# Allegro board MB1219_REVB_160112.brd (continued)
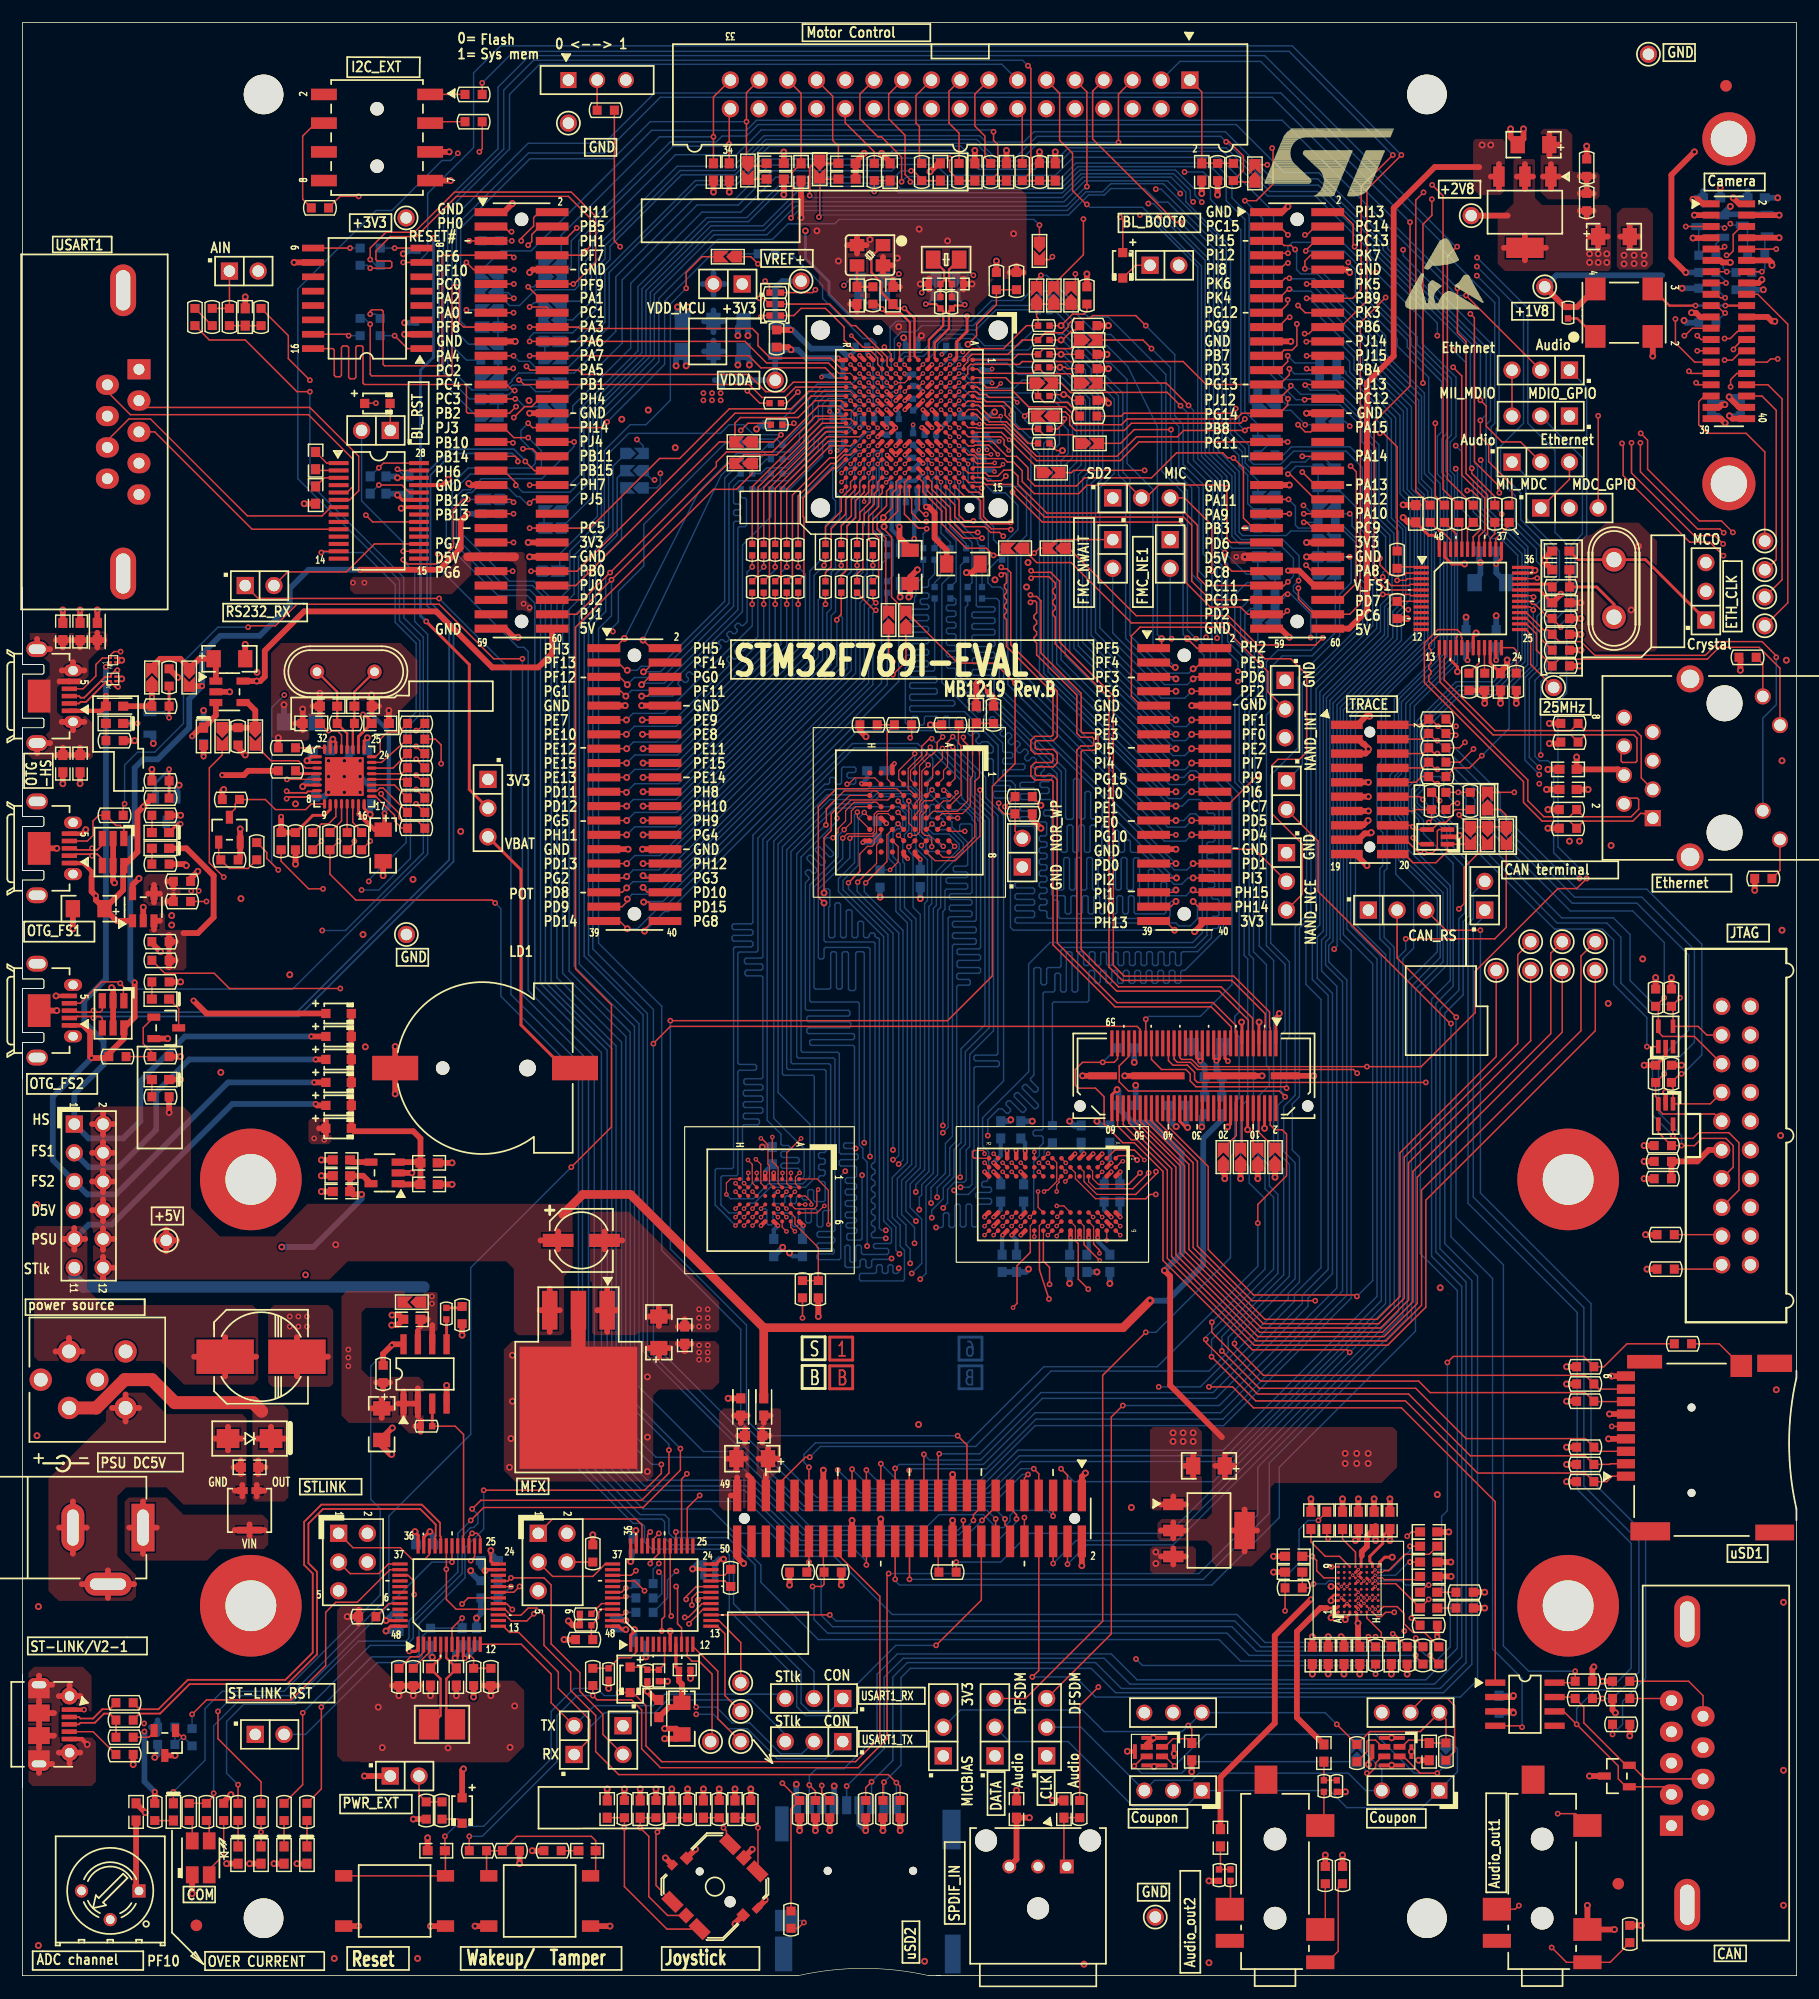
[diagram p0: board, top side]
## Nets (continued)
NETC35_1: C35.1 SB21.1 SB22.2 U7.1
NETC37_1: C37.1 R85.2 U8.28 X5.1
NETC38_1: C38.1 R85.1 U8.27 X5.2
NETC39_1: C39.1 R83.2 U9.B5
NETC40_1: C40.1 C141.1 U8.29
NETC41_1: C41.1 C46.1 U8.15 U8.26
NETC48_2: C48.2 U14.4
NETC49_2: C49.2 C51.2 D6.2 D8.2 D9.2 D10.2 D11.2 D12.2 U14.1 U14.3
NETC59_1: C59.1 C60.1 CN18.45 L5.2
NETC59_2: C59.2 C60.2 CN18.47 CN18.49 L4.2
NETC62_1: C62.1 D13.3 L3.1 Z1.2
NETC62_2: C62.2 CN19.2 CN19.3 D13.2 L3.2 Z1.1
NETC63_2: C63.2 U20.C9
NETC64_1: C64.1 U20.D7
NETC64_2: C64.2 CN28.2 R164.1 R225.2
NETC65_1: C65.1 U20.D9
NETC69_1: C69.1 U20.E6
NETC70_1: C70.1 U20.H8
NETC70_2: C70.2 U20.G8
NETC71_2: C71.2 JP22.1 U20.A7
NETC72_1: C72.1 U20.G7
NETC73_2: C73.2 R164.2 U20.B6
NETC74_1: C74.1 U20.H7
NETC75_1: C75.1 CN28.4 U20.G6
NETC75_2: C75.2 R165.1
NETC76_1: C76.1 CN28.6 U20.H6
NETC76_2: C76.2 R166.1
NETC81_1: C81.1 U20.F1
NETC82_2: C82.2 C86.1 L6.2 U22.9
NETC83_2: C83.2 D14.1 R177.1 U22.7
NETC89_1: C89.1 R193.1 R194.1
NETC89_2: C89.2 U20.A2
NETC96_1: C96.1 CN29.1 R206.2
NETC98_1: C98.1 R220.2 R221.2
NETC98_2: C98.2 U20.B3
NETC100_1: C100.1 R219.2
NETC131_2: C131.2 U5.27
NETC133_1: C133.1 U5.24
NETC133_2: C133.2 U5.28
NETC136_2: C136.2 C138.1 C139.1 C140.2 U6.18 U6.23 U6.37
NETC137_1: C137.1 U4.L11
NETC149_1: C149.1 C150.1 CN15.21 CN15.23 L8.2
NETC149_2: C149.2 C150.2 CN15.27 CN15.29 L9.2
NETCN1_3: CN1.3 SB18.2
NETCN1_5: CN1.5 SB46.1
NETCN1_9: CN1.9 SB73.1
NETCN1_11: CN1.11 SB72.2
NETCN1_13: CN1.13 SB50.1
NETCN1_14: CN1.14 R11.1
NETCN1_15: CN1.15 R10.2
NETCN1_17: CN1.17 R9.2
NETCN1_19: CN1.19 R8.2
NETCN1_21: CN1.21 SB57.2
NETCN1_23: CN1.23 SB53.2
NETCN1_26: CN1.26 R7.1
NETCN2_1: CN2.1 R3.2
NETCN2_3: CN2.3 R5.2
NETCN2_4: CN2.4 R16.1
NETCN3_1: CN3.1 R28.1 R29.2
NETCN4_15: CN4.15 R233.2 U22.33
NETCN4_17: CN4.17 R236.1 U22.32
NETCN4_18: CN4.18 TP11.1
NETCN4_19: CN4.19 R239.1 U22.10
NETCN4_33: CN4.33 SB3.1
NETCN4_34: CN4.34 TP10.1
NETCN4_35: CN4.35 TP8.1
NETCN4_36: CN4.36 TP9.1
NETCN5_3: CN5.3 SB40.2
NETCN5_5: CN5.5 R226.2
NETCN5_6: CN5.6 SB41.2
NETCN6_3: CN6.3 SB39.2
NETCN6_4: CN6.4 SB38.2
NETCN7_2: CN7.2 U5.6
NETCN7_3: CN7.3 U5.10
NETCN7_6: CN7.6 U5.5
NETCN7_8: CN7.8 U5.7
NETCN8_4: CN8.4 D3.A2 U8.5
NETCN9_1: CN9.1 R118.2 U6.17
NETCN9_2: CN9.2 R112.2 U6.16
NETCN9_3: CN9.3 R87.2 U6.14
NETCN9_6: CN9.6 R95.2 U6.13
NETCN9_9: CN9.9 R128.1
NETCN9_10: CN9.10 R74.1 U6.28
NETCN9_11: CN9.11 R77.1 U6.26
NETCN9_12: CN9.12 R76.1
NETCN11_6: CN11.6 JP9.2 R90.1 U9.A4
NETCN11_9: CN11.9 JP13.2
NETCN11_30: CN11.30 JP17.2
NETCN12_2: CN12.2 CN16.7 R84.1 R139.1 U13.1
NETCN12_4: CN12.4 CN16.9 R91.1 R138.2 U13.3
NETCN12_6: CN12.6 CN16.13 R97.1 R109.2 R141.1 U13.4
NETCN12_8: CN12.8 CN16.5 R99.1 R134.1 U12.5
NETCN12_10: CN12.10 CN16.15 R102.1 U13.5
NETCN12_12: CN12.12 SB10.1 U12.1
NETCN12_14: CN12.14 R109.1 SB11.1 U10.5
NETCN12_16: CN12.16 R111.1 SB9.1 U10.4
NETCN12_18: CN12.18 SB6.1 U10.3
NETCN12_20: CN12.20 SB26.1 U10.1
NETCN13_4: CN13.4 D5.1 R115.1
NETCN14_4: CN14.4 D7.1 SB65.1
NETCN15_8: CN15.8 SB32.1
NETCN15_10: CN15.10 SB31.1
NETCN15_14: CN15.14 SB30.1
NETCN15_16: CN15.16 SB29.1
NETCN15_35: CN15.35 JP3.1 U20.G1
NETCN15_39: CN15.39 SB43.1 U20.E4
NETCN15_45: CN15.45 JP12.3 SB71.1
NETCN15_46: CN15.46 TP17.1
NETCN15_47: CN15.47 SB14.1
NETCN15_48: CN15.48 TP14.1
NETCN15_50: CN15.50 TP18.1
NETCN15_52: CN15.52 TP15.1
NETCN15_54: CN15.54 TP19.1
NETCN15_56: CN15.56 TP16.1
NETCN15_58: CN15.58 TP20.1
NETCN16_3: CN16.3 R110.1 R111.2 R135.1 U12.4
NETCN16_11: CN16.11 R142.1 R143.2
NETCN16_17: CN16.17 R144.2
NETCN16_19: CN16.19 R145.2
NETCN17_1: CN17.1 R158.2 R287.1
NETCN17_2: CN17.2 R157.2 R282.1
NETCN17_3: CN17.3 R156.2 SB76.1
NETCN17_7: CN17.7 R154.2 SB75.2
NETCN17_8: CN17.8 R153.2 R264.1
NETCN17_10: CN17.10 R150.2
NETCN18_22: CN18.22 R162.1
NETCN19_1: CN19.1 D13.1
NETCN21_4: CN21.4 R159.2
NETCN22_2: CN22.2 R187.1
NETCN22_3: CN22.3 R188.1 R190.1
NETCN22_4: CN22.4 R301.1
NETCN25_5: CN25.5 R191.1
NETCN26_2: CN26.2 D15.1 JP18.2 U23.6
NETCN26_5: CN26.5 R186.2
NETCN26_7: CN26.7 D15.2 R185.1 U23.7
NETCN26_9: CN26.9 R184.2
NETCN27_2: CN27.2 R223.1
NETCN27_3: CN27.3 R222.1
NETCN27_4: CN27.4 R221.1
NETCN27_6: CN27.6 R193.2
NETCN30_5: CN30.5 JP7.1
NETCN30_10: CN30.10 R224.2
NETD1_1: D1.1 U5.20
NETD1_2: D1.2 JP1.1
NETD2_2: D2.2 JP5.1
NETD16_2: D16.2 R208.1
NETJP3_2: JP3.2 SB35.1
NETJP3_3: JP3.3 JP4.3
NETJP4_2: JP4.2 R73.1 U6.30
NETJP5_2: JP5.2 U5.16
NETJP6_1: JP6.1 U20.F2
NETJP6_2: JP6.2 SB44.2
NETJP6_3: JP6.3 JP8.1
NETJP7_3: JP7.3 JP23.3
NETJP8_2: JP8.2 U6.31
NETJP10_2: JP10.2 R89.2
NETJP11_1: JP11.1 JP21.1
NETJP11_2: JP11.2 U5.17
NETJP12_2: JP12.2 U6.34
NETJP13_3: JP13.3 SB19.2
NETJP14_2: JP14.2 U23.4
NETJP15_2: JP15.2 U4.C1
NETJP16_2: JP16.2 R114.1 U9.B4
NETJP17_3: JP17.3 SB17.2
NETJP18_1: JP18.1 R185.2
NETJP19_2: JP19.2 R183.1 U23.8
NETJP19_3: JP19.3 R189.1
NETJP23_1: JP23.1 U20.A9
NETJP24_1: JP24.1 U20.C6
NETJP24_3: JP24.3 R246.1
NETJP25_2: JP25.2 R292.2 U21.21
NETJP26_1: JP26.1 U5.13
NETJP26_2: JP26.2 SB68.1
NETJP27_2: JP27.2 R207.1 R208.2 U21.39
NETL2_1: L2.1 R82.2 R101.2 SB21.2
NETLD1_2: LD1.2 R216.2
NETLD2_2: LD2.2 R215.2
NETLD3_2: LD3.2 R214.2
NETLD4_2: LD4.2 R213.2
NETLD5_1: LD5.1 R94.1
NETLD5_2: LD5.2 T6.3
NETLD6_1: LD6.1 R288.1
NETLD6_2: LD6.2 R119.2 R120.2 U7.3 U8.10
NETLD7_1: LD7.1 R116.1
NETLD7_2: LD7.2 T7.3
NETLD8_1: LD8.1 R127.1
NETLD8_2: LD8.2 R131.2 R132.2 U11.3
NETLD9_1: LD9.1 R133.1
NETLD9_2: LD9.2 T2.3
NETLD10_1: LD10.1 R140.1
NETLD11_1: LD11.1 R209.2
NETLD11_2: LD11.2 R152.2 U17.8
NETLD12_2: LD12.2 R210.2
NETLD12_3: LD12.3 R211.2
NETLD12_4: LD12.4 R212.1
NETR4_2: R4.2 SW1.2
NETR17_1: R17.1 R18.1 U4.E5
NETR19_1: R19.1 U4.K1
NETR24_1: R24.1 U4.K2
NETR25_1: R25.1 X3.1
NETR26_1: R26.1 U4.L2
NETR27_1: R27.1 R28.2
NETR27_2: R27.2 RV1.2
NETR31_1: R31.1 SB6.2 SB7.2 SB8.2 U4.B1
NETR34_1: R34.1 SB25.2 SB26.2 SB27.2 SB28.2 U4.B2
NETR35_1: R35.1 SB9.2 U4.A1
NETR37_1: R37.1 SB11.2 U4.A2
NETR39_1: R39.1 R42.2 SB10.2 U4.A3
NETR41_1: R41.1 U4.L3
NETR42_1: R42.1 U6.6
NETR43_1: R43.1 U4.M5
NETR45_1: R45.1 U4.B7
NETR46_1: R46.1 U6.46
NETR47_1: R47.1 U6.45
NETR47_2: R47.2 SB55.2
NETR48_1: R48.1 U6.44
NETR48_2: R48.2 SB69.2
NETR49_1: R49.1 U6.43
NETR49_2: R49.2 SB54.2
NETR50_1: R50.1 U6.39
NETR50_2: R50.2 SB48.1
NETR51_1: R51.1 U6.38
NETR51_2: R51.2 SB36.1
NETR52_1: R52.1 U4.P8
NETR53_1: R53.1 U4.P9
NETR54_1: R54.1 U4.N9
NETR55_1: R55.1 U4.P10
NETR56_1: R56.1 U4.P11
NETR57_2: R57.2 U4.P14
NETR58_2: R58.2 U4.N14
NETR59_2: R59.2 U4.M15
NETR60_1: R60.1 U4.L15
NETR61_1: R61.1 U6.1
NETR61_2: R61.2 SB52.2
NETR62_1: R62.1 U4.R8
NETR63_1: R63.1 U4.R9
NETR64_1: R64.1 U4.R10
NETR65_1: R65.1 U4.R11
NETR66_1: R66.1 U4.R12
NETR67_2: R67.2 U4.P15
NETR68_2: R68.2 U4.N15
NETR69_1: R69.1 U4.L14
NETR70_1: R70.1 U4.K15
NETR71_1: R71.1 U6.33
NETR72_2: R72.2 U6.7 U22.26
NETR75_1: R75.1 U6.27
NETR78_2: R78.2 R82.1 T6.1
NETR79_1: R79.1 U6.20
NETR80_1: R80.1 U6.21
NETR81_2: R81.2 U6.24
NETR86_1: R86.1 U8.24
NETR88_1: R88.1 R89.1 U9.F2
NETR92_2: R92.2 SB23.2 SB24.2 U7.4
NETR93_1: R93.1 U8.23
NETR96_2: R96.2 U8.32
NETR98_1: R98.1 U8.22
NETR100_1: R100.1 U8.21
NETR101_1: R101.1 U8.4
NETR103_2: R103.2 R106.2 T7.1
NETR104_1: R104.1 U8.20
NETR105_1: R105.1 U9.A5 U16.G5
NETR107_1: R107.1 U8.19
NETR108_2: R108.2 T1.3 U8.9
NETR113_1: R113.1 U8.18
NETR117_1: R117.1 U8.17
NETR119_1: R119.1 U22.29
NETR121_1: R121.1 U8.11
NETR122_1: R122.1 U8.12
NETR123_1: R123.1 U8.13
NETR124_1: R124.1 U8.14
NETR125_1: R125.1 R126.2 T1.1
NETR129_2: R129.2 R130.1 U11.4
NETR130_2: R130.2 U22.17
NETR132_1: R132.1 U22.16
NETR136_2: R136.2 R137.2 T2.1
NETR146_1: R146.1 R147.1 U16.B5
NETR146_2: R146.2 SB20.2
NETR148_1: R148.1 R149.2
NETR148_2: R148.2 U17.5
NETR150_1: R150.1 R151.1 U22.28
NETR163_1: R163.1 U22.21
NETR163_2: R163.2 U22.22
NETR167_1: R167.1 U22.44
NETR168_2: R168.2 U21.44
NETR169_1: R169.1 R171.1 U22.45
NETR170_1: R170.1 U20.D4 U20.D5
NETR172_1: R172.1 U20.E3
NETR173_2: R173.2 U20.G2
NETR174_2: R174.2 U20.F3
NETR175_2: R175.2 U20.H1
NETR176_2: R176.2 R182.1 U22.2
NETR178_2: R178.2 U21.2
NETR179_2: R179.2 U21.3
NETR190_2: R190.2 T3.2
NETR192_1: R192.1 U25.2
NETR200_1: R200.1 R224.1 U22.31
NETR213_1: R213.1 SB59.2
NETR214_1: R214.1 SB15.2
NETR215_1: R215.1 SB13.2
NETR216_1: R216.1 SB4.2
NETR228_2: R228.2 U4.H3
NETR231_1: R231.1 U3.8
NETR232_2: R232.2 U3.9
NETR237_1: R237.1 U4.K3
NETR238_1: R238.1 U4.J2
NETR240_1: R240.1 U4.H2
NETR241_1: R241.1 U3.1
NETR242_2: R242.2 U3.15
NETR243_1: R243.1 U4.G2
NETR244_1: R244.1 U4.E2
NETR245_2: R245.2 U6.5
NETR247_1: R247.1 U4.D2
NETR248_2: R248.2 U6.3
NETR249_2: R249.2 U6.4
NETR250_2: R250.2 U4.D4
NETR251_2: R251.2 U4.E4
NETR252_2: R252.2 SB12.1 U4.D5
NETR253_2: R253.2 U4.L5
NETR254_2: R254.2 U4.D6
NETR255_2: R255.2 SB58.1 U4.J4
NETR256_2: R256.2 U6.2
NETR257_1: R257.1 U4.N6
NETR258_2: R258.2 U4.J3
NETR259_1: R259.1 U4.M6
NETR260_1: R260.1 U4.P6
NETR261_1: R261.1 U4.M7
NETR262_1: R262.1 U4.N7
NETR266_1: R266.1 U4.K13
NETR267_1: R267.1 U4.M12
NETR268_1: R268.1 U4.M11
NETR269_1: R269.1 U4.N11
NETR270_2: R270.2 U4.N10
NETR271_1: R271.1 U4.M8
NETR272_1: R272.1 U4.B12
NETR273_2: R273.2 U4.C14
NETR274_2: R274.2 U4.D14
NETR275_2: R275.2 U4.E14
NETR276_2: R276.2 U4.E12
NETR277_1: R277.1 U4.H14
NETR278_1: R278.1 U4.L12
NETR279_1: R279.1 U4.M13
NETR280_1: R280.1 U4.N12
NETR281_1: R281.1 U4.M10
NETR283_1: R283.1 U4.C12
NETR284_2: R284.2 U4.C13
NETR285_2: R285.2 U4.D13
NETR286_2: R286.2 U4.E13
NETR289_1: R289.1 U9.F7
NETR291_1: R291.1 U15.J2
NETR293_2: R293.2 U22.42
NETR294_2: R294.2 U22.43
NETR295_2: R295.2 U21.20
NETR296_2: R296.2 U22.46
NETR298_1: R298.1 R299.1 R300.2 T3.1
NETSB12_2: SB12.2 U6.41
NETSB23_1: SB23.1 U22.30
NETSB24_1: SB24.1 U8.3
NETSB27_1: SB27.1 U20.D3
NETSB47_1: SB47.1 U6.40
NETSB58_2: SB58.2 U6.42
NETSB62_1: SB62.1 U23.1
NETSB78_1: SB78.1 U24.4 U25.4
NETSB79_2: SB79.2 U24.3 U25.3
NETTP12_1: TP12.1 U6.25
NETTP23_1: TP23.1 U22.13
NETTP24_1: TP24.1 U22.11
NETTP25_1: TP25.1 U22.12
NETU20_G3: U20.G3 U22.15
OSC_IN: C84.1 U21.5 X6.2
OSC_OUT: C85.1 U21.6 X6.1
PA0: CN5.15 SB43.2 SB45.2 SB47.2 U4.N3
PA1: CN5.14 SB34.2 SB36.2 U4.N2
PA2: CN5.13 SB35.2 SB37.2 U4.P2
PA3: CN5.18 R86.2 U4.R2
PA4: CN4.31 CN5.21 U4.N4
PA5: CN5.24 R124.2 U4.P4
PA7: CN5.22 SB46.2 SB48.2 U4.R3
PA8: CN6.52 SB70.2 SB71.2 SB74.2 U4.F15
PA9: CN6.43 R265.1 SB68.2 U4.E15
PA10: CN6.44 JP21.2 R115.2 U4.D15
PA11: CN6.41 CN13.2 D5.4 JP14.1 SB64.2 U4.C15
PA12: CN6.42 SB60.2 SB62.2 SB66.2 U4.B15
PA13: CN6.40 R84.2 U4.A15 U21.25 U21.27
PA14: CN6.36 R91.2 U4.A14 U21.15 U21.26
PA15: CN6.32 R99.2 U4.A13 U21.17
PAR_D0: CN4.23 CN6.58 JP9.1 SB18.1 U4.H15
PAR_D1: CN1.7 CN4.24 CN11.24 JP10.1 U4.G15
PAR_D2: CN4.25 CN6.51 SB17.1 SB72.1 SB75.1 U4.G14
PAR_D4: CN4.27 CN6.53 R282.2 U4.B13
PAR_D5: CN4.28 CN6.23 R246.2 U4.C11
PAR_D6: CN4.29 SB7.1
PAR_D7: CN4.30 SB25.1
PAR_D8: CN4.9 CN6.55 R16.2 R287.2 U4.B14
PAR_D9: CN4.10 CN6.28 CN17.5 U4.A12
PAR_D10: CN4.5 CN6.47 JP7.2 U4.B11
PAR_D11: CN4.6 CN6.57 SB76.2 U4.D12
PB0: CN5.52 R93.2 SB73.2 U4.R5
PB1: CN5.26 R98.2 SB50.2 U4.R4
PB2: CN5.29 R43.2 U3.16
PB3: CN6.45 CN30.1 R97.2 R205.2 U4.A10 U21.16 U21.31
PB4: CN6.24 CN30.2 R204.2 SB16.2 U4.A9
PB5: CN5.4 R117.2 SB5.2 U4.A8
PB6: CN6.18 R44.2 R230.2 U3.7
PB7: CN4.32 CN6.21 U4.B5
PB8: CN6.31 CN15.44 CN18.40 R5.1 R160.2 R175.1 R229.1 R293.1 T5.3 U4.A7
PB9: CN6.14 CN15.40 CN18.38 R3.1 R161.2 R174.1 R227.1 R294.1 T4.3 U4.B4
PB10: CN5.33 R100.2 SB63.2 U4.P12
PB11: CN5.36 R104.2 SB61.2 U4.R13
PB12: CN5.41 R107.2 SB65.2 U4.L13
PB13: CN5.43 R113.2 R263.2 U4.K14
PB14: CN5.35 CN14.2 D7.4 U4.R14
PB15: CN5.38 CN14.3 D7.3 U4.R15
PC0: CN5.11 R123.2 U4.M2
PC1: CN5.16 SB42.1 SB44.1 U4.M3
PC2: CN5.23 R245.1 SB49.1 U4.M4
PC3: CN5.27 SB52.1 SB56.1 U4.L4
PC4: CN5.25 SB51.1 SB54.1 U4.N5
PC5: CN5.46 SB67.1 SB69.1 U4.P5
PC13: CN6.6 R182.2 R217.2 U4.D1
PC14: R23.2 SB38.1 U4.E1
PC15: R22.2 SB39.1 U4.F1
PD4: CN11.28 U4.D11 U9.G2 U16.A2
PD5: CN11.26 R105.2 U4.C10
PD7: CN6.56 CN30.3 R203.2 U4.A11
PE0: CN11.25 U4.A6 U15.K9 U16.A1
PE1: CN11.23 U4.A5 U15.K1 U16.B2
PF6: CN5.7 R24.2 R241.2
PF7: CN5.8 R19.2 R232.1
PF8: CN5.17 R41.2 R242.1
PF9: CN5.12 R26.2 R231.2
PF10: CN5.9 R30.2 U4.L1
PF11: CN10.8 R52.2 U15.J9
PG7: CN5.47 SB19.1 U4.J14
PG8: CN10.40 R277.2 U15.J1
PG9: CN6.17 CN15.37 CN30.7 R172.2 R202.2 U4.D9
PG10: CN30.8 R201.2 U4.C8
PG11: CN6.33 R256.1 SB57.1 U4.B8
PG12: CN6.15 R206.1 U4.C7
PG13: CN6.25 R248.1 U4.B3
PG14: CN6.29 R249.1 U4.A4
PG15: CN11.19 R45.2 U15.K7
PH0: C23.1 SB40.1 U4.G1 X1.1
PH1: R20.1 SB41.1 U4.H1
PH2: CN11.2 R291.2 U4.K4
PH3: CN10.1 R255.1 U15.J8
PH4: CN5.28 R121.2 U4.H4
PH5: CN10.2 R258.1 U15.K8
PH6: CN5.37 SB53.1 SB55.1 U4.P13
PH7: CN5.40 R46.2 U4.N13
PI4: CN11.17 U4.C3 U15.F8
PI5: CN11.15 U4.D3 U15.F2
PI8: CN6.9 R296.1 U4.C2
PI12: CN6.7 CN18.26 U4.E3
PI13: CN6.2 CN18.28 U4.G3
PI14: CN5.32 CN18.32 R228.1
PJ6: CN6.35
PJ7: CN6.37
PJ8: CN6.38
PJ9: CN6.34
PJ10: CN5.44
PJ11: CN5.45
PK0: CN5.53
PK1: CN5.55
PK2: CN5.57
PK7: CN6.8 CN15.57 R162.2 R290.1 U4.C4
PWR_ENN: R155.2 U17.3 U21.28
RESET#: B1.2 B1.3 C99.2 CN18.36 D2.1 D14.2 R102.2 R125.2 R226.1 U4.J1 U6.29 U21.18
STL_USB_DM: R187.2 U21.32
STL_USB_DP: R188.2 U21.33
STLINK_RX: CN23.1 JP26.3 U21.13
STLINK_TX: CN23.2 JP21.3 U21.12
STM_JTCK_SWCLK: CN20.3 U21.37
STM_JTMS_SWDIO: CN20.1 U21.34
STM_RST: C177.2 JP28.2 R297.1 U21.7
SWIM_PU_CTRL: U21.4
T_JRST: R110.2 SB16.1 U21.19
U5V_ST_LINK: C54.2 JP20.11 SB33.2 U17.6 U17.7
USB_RENUMN: R299.2 U21.38
VREF+: C103.1 C108.2 R33.2 TP5.1 U4.P1
VUSB_ST_LINK: C58.1 CN22.1 D12.1 R152.1 R155.1 R209.1 R298.2 SB33.1 U17.1 U17.2

Pads without a net: CN2 2 6 8; CN7 1 4 7 9; CN9 7; CN12 7; CN15 2 20 22 24 25 26 28 30 31 32 33 34 38 41 42 43 51 55 59; CN17 11 12 13 14; CN18 24 41 42 44 46 48; CN20 5; CN21 5; CN24 6; CN25 6; CN26 1 4 8; CN27 5 7; CN28 5 7; CN30 11 12 13 14; U3 3 4 5 6 11 12 13 14; U5 4 8 9 11 12 14 15 18 19 21; U6 8 9 10 11 12; U9 A1 A8 B1 C1 D1 E1 F8 G1 G8 H1 H8; U12 3; U15 E3 E7 H3 H7 K2 K3; U16 E3; U20 A6 A8 B1 B4 B5 B7 B8 B9 C3 C4 C5 C7 C8 E1 E5 F4 F5 F6 F8 F9 G4 H2 H3 H4 H5; U21 11 14 22 40 41 42 43 45 46; U22 3 4 5 6 25 38 41; U23 5

## Via types
v1: diameter 0.508, hole 0.254, TOP to BOTTOM, 696 vias
v2: diameter 0.305, hole 0.152, TOP to BOTTOM, 24 vias
v3: diameter 0.406, hole 0.203, TOP to BOTTOM, 294 vias
v4: diameter 0.61, hole 0.305, TOP to BOTTOM, 601 vias
v5: diameter 0.483, hole 0.254, TOP to BOTTOM, 41 vias

## Routing (per net, layer and track width the routed paths; a pad name or vN(x,y) marks a point on that pad's centre or on a via; arc(x,y) is an arc through that point)
+1V8: length 88.1
  TOP w0.229: U20.D1 117.98,32.04 117.98,31.89 ; 119.23,36.55 119.36,36.42 U20.G9 ; U20.D8 v2(118.11,35.91)
  TOP w0.254: 117.98,31.89 117.98,31.27 v4(118.08,31.17) ; 119.23,36.55 119.13,36.65 119.13,37.08 120.27,38.23 120.27,38.86 C68.1 ; v4(96.77,78.36) 96.32,77.9 CN15.60
  TOP w0.508: C61.1 107.14,45.09 ; C61.1 105.46,45.09 ; C61.1 106.3,44.12 ; C61.1 106.3,46.05 ; 101.75,38.66 U19.2 ; U19.2 101.75,40.08 ; U19.2 100.65,39.37 ; U19.2 102.86,39.37 ; U19.4 108.05,41.22 ; U19.4 106.95,39.37 ; U19.4 109.16,39.37 ; U19.4 108.05,37.52 ; v4(118.08,31.17) 118.08,29.24 C80.1 ; TP6.1 136.37,147.57 R25.2 137.45,147.57 139.04,149.17 X3.4 ; C66.1 118.11,38.73 v4(117.86,38.48) ; C68.1 v4(120.9,38.48) ; CN4.2 151.79,156.69 v4(151.26,157.23) ; v4(100.97,62.36) 101.47,61.85 101.47,52.2 106.05,47.62 ; CN4.1 149.28,156.72 148.54,156.72 148.16,157.1 v4(147.7,157.1)
  BOTTOM w0.508: C102.2 148.59,157.84 ; C102.2 148.59,156.62 ; C102.2 147.94,157.23 ; v4(100.97,62.36) 102.49,63.88 102.49,72.77 99.82,75.44 98.17,75.44 96.9,76.71 C152.1 96.9,78.23 v4(96.77,78.36) ; v4(146.91,146.38) 147.12,146.18 R239.2 ; v4(146.74,149.22) R236.2 ; 151.88,157.23 C101.1 ; C101.1 152.53,157.84 ; C101.1 152.53,156.62 ; 144.98,150.37 135.61,150.37 TP6.1
  vias: v4(116.95,46.19) v4(116.95,45.3) v4(117.96,46.19) v4(117.96,45.3) v4(118.98,46.19) v4(118.98,45.3) v4(136.78,100.33) v4(137.67,100.33)
+2V8: length 31.2
  TOP w0.508: 132.84,158 U2.2 ; U2.2 133.55,159.11 ; U2.2 132.13,159.11 ; U2.2 132.84,160.21 ; CN4.39 150.17,137.69 v4(150.55,137.31) ; R15.1 138.91,156.08 ; R15.1 138.3,155.49 ; R15.1 137.69,156.08 ; C19.1 140.16,153.8 ; C19.1 139.32,152.83 ; C19.1 138.48,153.8 ; C19.1 139.32,154.76 ; 132.84,151.7 U2.4 ; U2.4 132.84,153.91 ; U2.4 130.99,152.81 ; U2.4 134.7,152.81 ; v4(150.93,137.95) 150.93,137.95 151.18,137.69 CN4.40 ; TP3.1 131.32,155.65
  BOTTOM w0.508: v4(151,156.46) 150.33,155.79 T5.1 150.45,155.76 T4.1 ; R235.2 R234.2 v4(153.92,149.1) ; v4(150.55,137.31) 149.94,137.92 C117.1 ; v4(150.93,137.95) 150.95,137.92 C116.1
  vias: v4(138.56,152.27) v4(138.56,151.51) v4(139.32,152.27) v4(139.32,151.51) v4(140.08,152.27) v4(140.08,151.51)
+3V3: length 242.2
  TOP w0.229: U20.C2 117.36,32.66 v2(117.11,32.91) 116.86,32.66 U20.B2 ; U20.D2 v2(118.11,32.41)
  TOP w0.254: 118.41,37.13 118.36,37.08 U20.E9 ; U6.32 134.12,122.54 C32.2 ; U6.48 125.27,126.96 124.84,127.38 124.33,127.38 C27.1 ; U6.22 129.77,116.11 C36.2 ; U8.25 30.2,109.19 v4(30.48,109.47) ; U8.16 30.2,103.23 v4(30.73,102.69) ; v4(24.77,105.16) 24.9,105.29 U8.6 ; U8.31 27.2,109.11 v4(27.43,109.35) 27.7,109.08 U8.30 ; CN15.36 102.32,75.57 102.88,75.01 v4(103.01,75.01)
  TOP w0.279: U22.48 52.7,30.9 53,30.61 v4(53.34,30.61) ; U22.1 53.76,30.1 54.1,30.44 v4(54.1,30.61) ; v4(61.98,36.83) 61.72,36.83 61.3,36.41 U22.24 ; v4(53.76,36.62) U22.36
  TOP w0.305: U5.22 33.85,129.87 33.76,129.77 v4(33.48,129.77) ; U5.26 v4(33.15,132.47)
  TOP w0.381: U15.P7 v3(85.86,67.09) ; v3(88.64,72.95) 88.66,72.93 U15.L1 ; U15.E1 v3(93.86,72.69) ; v3(65.66,70.99) 65.66,70.46 U16.E1 ; U16.A6 v3(69.04,66.33) ; v3(94.27,65.28) 94.26,65.29 U15.D9 ; U15.B7 v3(96.26,67.09) ; U15.R7 85.4,67.49 85.06,67.15 v3(85.06,67.09) ; v3(92.67,65.28) 92.66,65.29 U15.F9 ; U16.D6 66.42,66.7 v3(66.79,66.33) ; v3(77.09,107.19) 76.91,107.01 U9.F1 ; U15.B2 v3(96.26,71.89) ; v3(79.38,98.73) 78.91,99.19 U9.D8 ; v3(95.07,65.28) 95.06,65.29 U15.C9 ; U15.M9 v3(87.46,65.49) ; U15.P2 v3(85.86,71.89) ; U9.G5 v5(76.38,101.9) ; U15.N9 v3(86.66,65.49) ; v3(97.06,67.09) U15.A7 ; U15.L7 v3(88.26,67.09)
  TOP w0.508: C27.1 122.5,128.52 v4(122.07,128.96) ; C55.1 57.23,55.5 ; C55.1 56.26,54.66 ; C55.1 55.3,55.5 ; R161.1 v4(72.39,34.54) ; v4(135,108.97) 135.89,108.97 R95.1 ; R158.1 v4(136.53,43.69) ; R73.2 v4(137.79,120.02) ; R114.2 89.28,102.23 v4(90.04,101.47) ; R157.1 v4(136.53,45.21) ; R13.2 v4(105.66,157.48) ; 57.94,55.88 C56.1 ; C56.1 58.55,55.23 ; C56.1 59.16,55.88 ; R189.2 v4(142.11,21.21) ; v4(89.03,13.97) C95.2 87.88,10.29 CN29.3 ; R154.1 v4(136.53,50.8) ; R112.1 v4(134.87,103.12) ; CN2.5 v4(37.72,161.29) ; 10.29,7.49 10.03,7.75 C97.1 ; R126.1 19.24,98.87 T1.2 v4(19.24,101.41) ; L6.1 56.01,24.38 v4(55.24,25.15) R177.2 ; v4(85.34,113.92) 85.34,113.54 85.85,113.03 R83.1 ; v4(14.48,98.17) 14.35,98.3 R127.2 ; C36.2 130.68,115.32 131.27,115.9 v4(131.27,116.36) ; C32.2 v4(136.02,122.17) ; LD2.1 v4(22.23,9.91) ; R204.1 v4(76.07,12.83) ; R90.2 v4(80.26,110.62) ; R205.1 v4(77.6,12.83) ; v4(137.41,107.77) C44.2 141.1,106.68 141.6,106.17 ; R151.2 v4(136.53,53.85) ; U19.3 102.86,37.07 ; U19.3 101.75,36.36 ; U19.3 100.65,37.07 ; U19.3 101.75,37.78 ; R141.2 v4(143.38,73.41) ; R72.1 v4(122.43,120.02) ; R200.2 v4(68.71,12.83) ; v4(18.03,9.91) LD4.1 ; R139.2 v4(146.69,80.52) ; R180.1 v4(39.88,24.64) ; R131.1 11.43,91.31 v4(12.19,90.55) ; LD1.1 v4(24.26,9.91) ; R87.1 v4(135,110.74) ; CN12.1 118.03,110.62 118.8,111.38 v4(119.13,111.38) ; v4(129.29,112.52) R80.2 R79.2 ; v4(147.83,161.29) 145.8,159.26 145.8,151.89 v4(147.07,150.62) ; R156.1 v4(136.53,46.74) ; CN17.4 v4(140.24,47.47) ; v4(151.89,115.44) 151.89,116.46 R76.2 ; B2.1 v4(40.01,4.38) ; R120.1 v4(24.13,98.3) ; v4(116.59,29.97) 116.84,29.72 C79.1 ; 118.41,37.13 118.41,37.49 118.87,37.95 118.87,38.86 C67.1 119.51,39.62 119.63,39.75 v4(119.63,38.48) ; R159.1 v4(50.42,38.99) ; R160.1 v4(67.82,34.54) ; CN6.48 v4(113.53,126.75) ; CN11.40 104.57,93.27 v4(103.63,92.33) ; R203.1 v4(74.55,12.83) ; R147.2 v4(70.36,58.29) ; R198.1 v4(61.59,16.51) ; v4(131.83,23.24) 131.83,23.34 131.8,23.37 U23.3 ; R17.2 v4(86.11,151.64) ; C78.1 v4(115.44,29.97) ; CN18.50 63.18,37.02 v4(63.75,36.45) ; B2.4 v4(51.94,4.38) ; R94.2 v4(9.91,109.22) ; R116.2 v4(13.97,102.62) ; R199.1 v4(64.39,16.51) ; v4(20.07,9.91) LD3.1 ; 48.9,29.72 v4(47.88,29.72) ; R74.2 v4(137.79,118.62) ; R118.1 v4(134.87,101.47) ; R201.1 v4(70.1,12.83) ; R184.1 v4(139.7,26.04) ; v1(125.09,29.97) R170.2 ; v4(74.57,109.58) 74.04,110.11 R88.2 ; R142.2 v4(143.38,72.01) ; R128.2 v4(153.16,95.99) ; C45.2 v4(138.43,104.9) ; R197.1 v4(58.8,16.51) ; CN5.48 v4(44.7,126.75) ; R153.1 v4(136.53,52.32) ; U3.2 v4(33.78,145.16) ; R195.1 v4(53.21,16.51) ; R219.1 v4(45.06,11.05) ; R173.1 v4(122.43,26.67) ; R202.1 v4(71.37,12.83) ; R196.1 v4(56.01,16.51) ; R77.2 v4(137.67,115.82) ; v4(114.05,29.97) C77.1 ; R133.2 v4(13.97,87.88) ; R134.2 v4(144.4,88.27) ; R135.2 v4(145.8,88.27) ; R75.2 v4(137.79,117.22)
  TOP w1.27: U18.2 U18.4
  BOTTOM w0.381: C164.1 96.14,63.88 95.07,64.95 v3(95.07,65.28) ; C160.1 88.52,67.35 v3(88.26,67.09) ; C144.1 76.45,106.55 v3(77.09,107.19) ; v3(92.67,65.28) 92.67,63.84 C166.1 ; v3(79.38,98.73) C148.1 ; C165.1 94.27,63.92 v3(94.27,65.28) ; C153.1 88.64,73.67 v3(88.64,72.95) ; C159.1 95.63,67.72 v3(96.26,67.09) ; v3(87.46,65.49) 87.88,65.06 C167.1 ; v3(97.06,67.09) 97.03,67.12 C158.1 ; v3(85.86,67.09) 86.49,67.72 C161.1 ; C155.1 96.14,72.01 v3(96.26,71.89) ; C163.1 66.42,65.96 v3(66.79,66.33) ; C162.1 68.96,66.25 v3(69.04,66.33) ; v3(86.66,65.49) 86.61,65.44 C168.1 ; C154.1 86.49,72.52 v3(85.86,71.89) ; v3(65.66,70.99) 65.66,71.12 C157.1 ; v3(93.86,72.69) 93.6,72.95 C156.1 ; v5(76.38,101.9) 76.17,102.11 C147.1
  BOTTOM w0.508: C173.2 C172.1 61.59,36.83 v4(61.98,36.83) ; C179.1 v4(131.83,23.24) ; C175.2 v4(53.34,30.61) ; C142.1 v4(30.48,109.47) ; v4(27.43,109.35) 27.18,109.09 C143.1 ; v4(53.76,36.62) 53.85,36.7 C170.2 ; v4(24.77,105.16) 25.4,105.79 C145.1 ; v4(33.15,132.47) 33.02,132.59 C132.1 ; C151.1 102.87,75.15 v4(103.01,75.01) ; C146.1 30.73,103.5 v4(30.73,102.69) ; v4(33.66,152.27) 33.78,152.27 34.04,152.53 R230.1 ; C105.1 v4(33.78,145.16) ; v4(98.3,80.77) R290.2 ; R289.2 v4(75.82,95.38) ; v4(54.1,30.61) C178.2 ; R233.1 v4(147.07,150.62) ; CN30.4 73.97,13.41 v4(74.55,12.83) ; v4(16,111.89) R288.2
  vias: v1(59.82,55.75) v1(59.82,55.12) v1(59.82,54.48) v1(60.58,55.75) v1(60.58,55.12) v1(60.58,54.48) v4(43.05,44.96) v4(43.18,47.5) v4(43.31,54.86) v4(43.31,50.8) v4(55.24,52.96) v4(55.24,47.62) v4(55.24,44.58) v4(100.2,37.47) v4(100.2,36.45)
+3V3_ST_LINK: length 32.7
  TOP w0.279: U21.9 38.97,28.21 v1(39.12,28.07) ; v4(34.7,39.27) 34.7,39.22 34.97,38.95 U21.36 ; U21.1 34.97,28.87 34.77,28.68 v1(34.19,28.68) ; U21.24 41.66,36.41 41.4,36.66 v4(41.4,37.59) ; U21.48 32.56,30.9 v4(32.13,30.48)
  TOP w0.508: v4(18.41,16) 17.78,15.37 R212.2 ; JP27.1 v4(30.23,17.65) ; v4(29.97,69.09) 29.21,69.09 C52.1 C50.2 30.11,70.74 U14.5 ; T3.3 v4(13.49,19.47)
  BOTTOM w0.508: R297.2 36.07,28.32 v4(36.23,28.16) ; v4(41.4,37.59) 41.4,37.34 C171.2 ; C176.2 40.13,29.08 v1(39.12,28.07) ; C169.2 34.8,39.17 v4(34.7,39.27) ; v4(29.97,69.09) 29.97,68.71 25.7,64.44 v4(22.91,64.44) ; R292.1 40.39,34.92 39.62,35.69 v4(39.62,35.81) ; C174.2 v4(32.13,30.48)
+5V: length 284.1
  TOP w0.508: 7.11,71.81 JP20.4 ; JP20.4 6.15,72.77 ; JP20.4 7.11,73.74 ; JP20.4 8.08,72.77 ; CN6.60 117.27,119.13 118.87,120.73 118.87,140.87 121.23,143.23 121.23,156.31 124.87,159.94 128.8,159.94 ; 7.11,65.15 7.11,66.12 ; 7.11,65.15 7.11,64.19 ; 7.11,65.15 8.08,65.15 ; JP20.2 8.08,75.31 ; JP20.2 7.11,74.35 ; JP20.2 6.15,75.31 ; JP20.2 7.11,76.28 ; 11.73,65.02 TP21.1 ; TP21.1 12.7,65.99 ; TP21.1 13.67,65.02 ; TP21.1 12.7,64.06 ; JP20.12 8.08,62.61 ; JP20.12 7.11,61.65 ; JP20.12 7.11,63.58 ; 45.79,65.02 C53.1 ; C53.1 47.35,64.24 ; C53.1 47.35,65.81 ; U11.5 9.72,96.46 v4(10.29,97.03) ; JP20.6 8.08,70.23 ; JP20.6 7.11,71.2 ; JP20.6 7.11,69.27 ; JP20.6 6.15,70.23 ; 46.61,56.93 U18.3 ; U18.3 46.61,60.77 ; U18.3 45.72,58.85 ; U18.3 47.5,58.85 ; v4(38.99,18.29) 38.86,18.16 D16.1 ; 130.54,158 U2.3 ; U2.3 130.54,160.21 ; U2.3 129.83,159.11 ; U7.5 v4(20.7,114.49) 21.02,114.49 21.41,114.88 21.41,117.17 24.89,120.65 36.58,120.65 41.53,115.7 45.59,115.7 46.82,116.93 CN5.60 ; JP20.8 7.11,68.66 ; JP20.8 7.11,66.73 ; JP20.8 8.08,67.69 ; JP20.8 6.15,67.69 ; R140.2 v4(12.95,76.33)
  TOP w0.762: v4(99.69,59.69) 97.31,57.3 65.53,57.3 ; L5.1 65.53,57.3 ; 65.53,57.3 53.75,69.09 49.53,69.09 47.75,67.31
  L4_SIG w0.508: 71.78,167.64 CN1.25 ; CN1.25 73.71,167.64 ; CN1.25 72.74,168.61 ; JP20.4 7.11,73.74 ; JP20.4 8.08,72.77 ; JP20.4 6.15,72.77 ; JP20.4 7.11,71.81 ; JP20.2 8.08,75.31 ; JP20.2 7.11,74.35 ; JP20.2 6.15,75.31 ; JP20.2 7.11,76.28 ; v4(27.69,64.64) 27.81,64.52 27.84,64.52 30.23,62.13 30.23,43.43 32.38,41.27 32.38,34.54 36.83,30.1 40.64,30.1 44.83,25.91 44.83,20.07 43.05,18.29 v4(38.99,18.29)
  BOTTOM w0.508: v4(99.69,59.69) 101.22,59.69 104.39,62.87 104.39,74.04 106.05,75.69 L8.1
  vias: v4(13.18,93.75) v4(13.18,92.91) v4(20.73,115.27) v4(129.06,161.9) v4(129.82,161.9)
D5V: length 22.1
  TOP w0.508: D6.1 16.26,85.09 v1(15.11,86.23)
  TOP w0.762: 39.34,125.48 CN5.49 43.51,125.48 ; CN6.49 v1(108.08,125.48)
  L4_SIG w0.508: JP20.7 4.57,68.66 ; JP20.7 3.61,67.69 ; JP20.7 4.57,66.73 ; JP20.7 5.54,67.69
  vias: v1(14.91,95.91) v1(15.57,95.94) v1(29.21,123.19) v1(30.23,123.19) v1(44.3,121.34) v1(44.83,120.98) v1(107.31,125.48)
